# Altium PCB FMC_ADC_100M_10B_16CHA_TDC.PcbDoc (part 9 of 12) (continued)
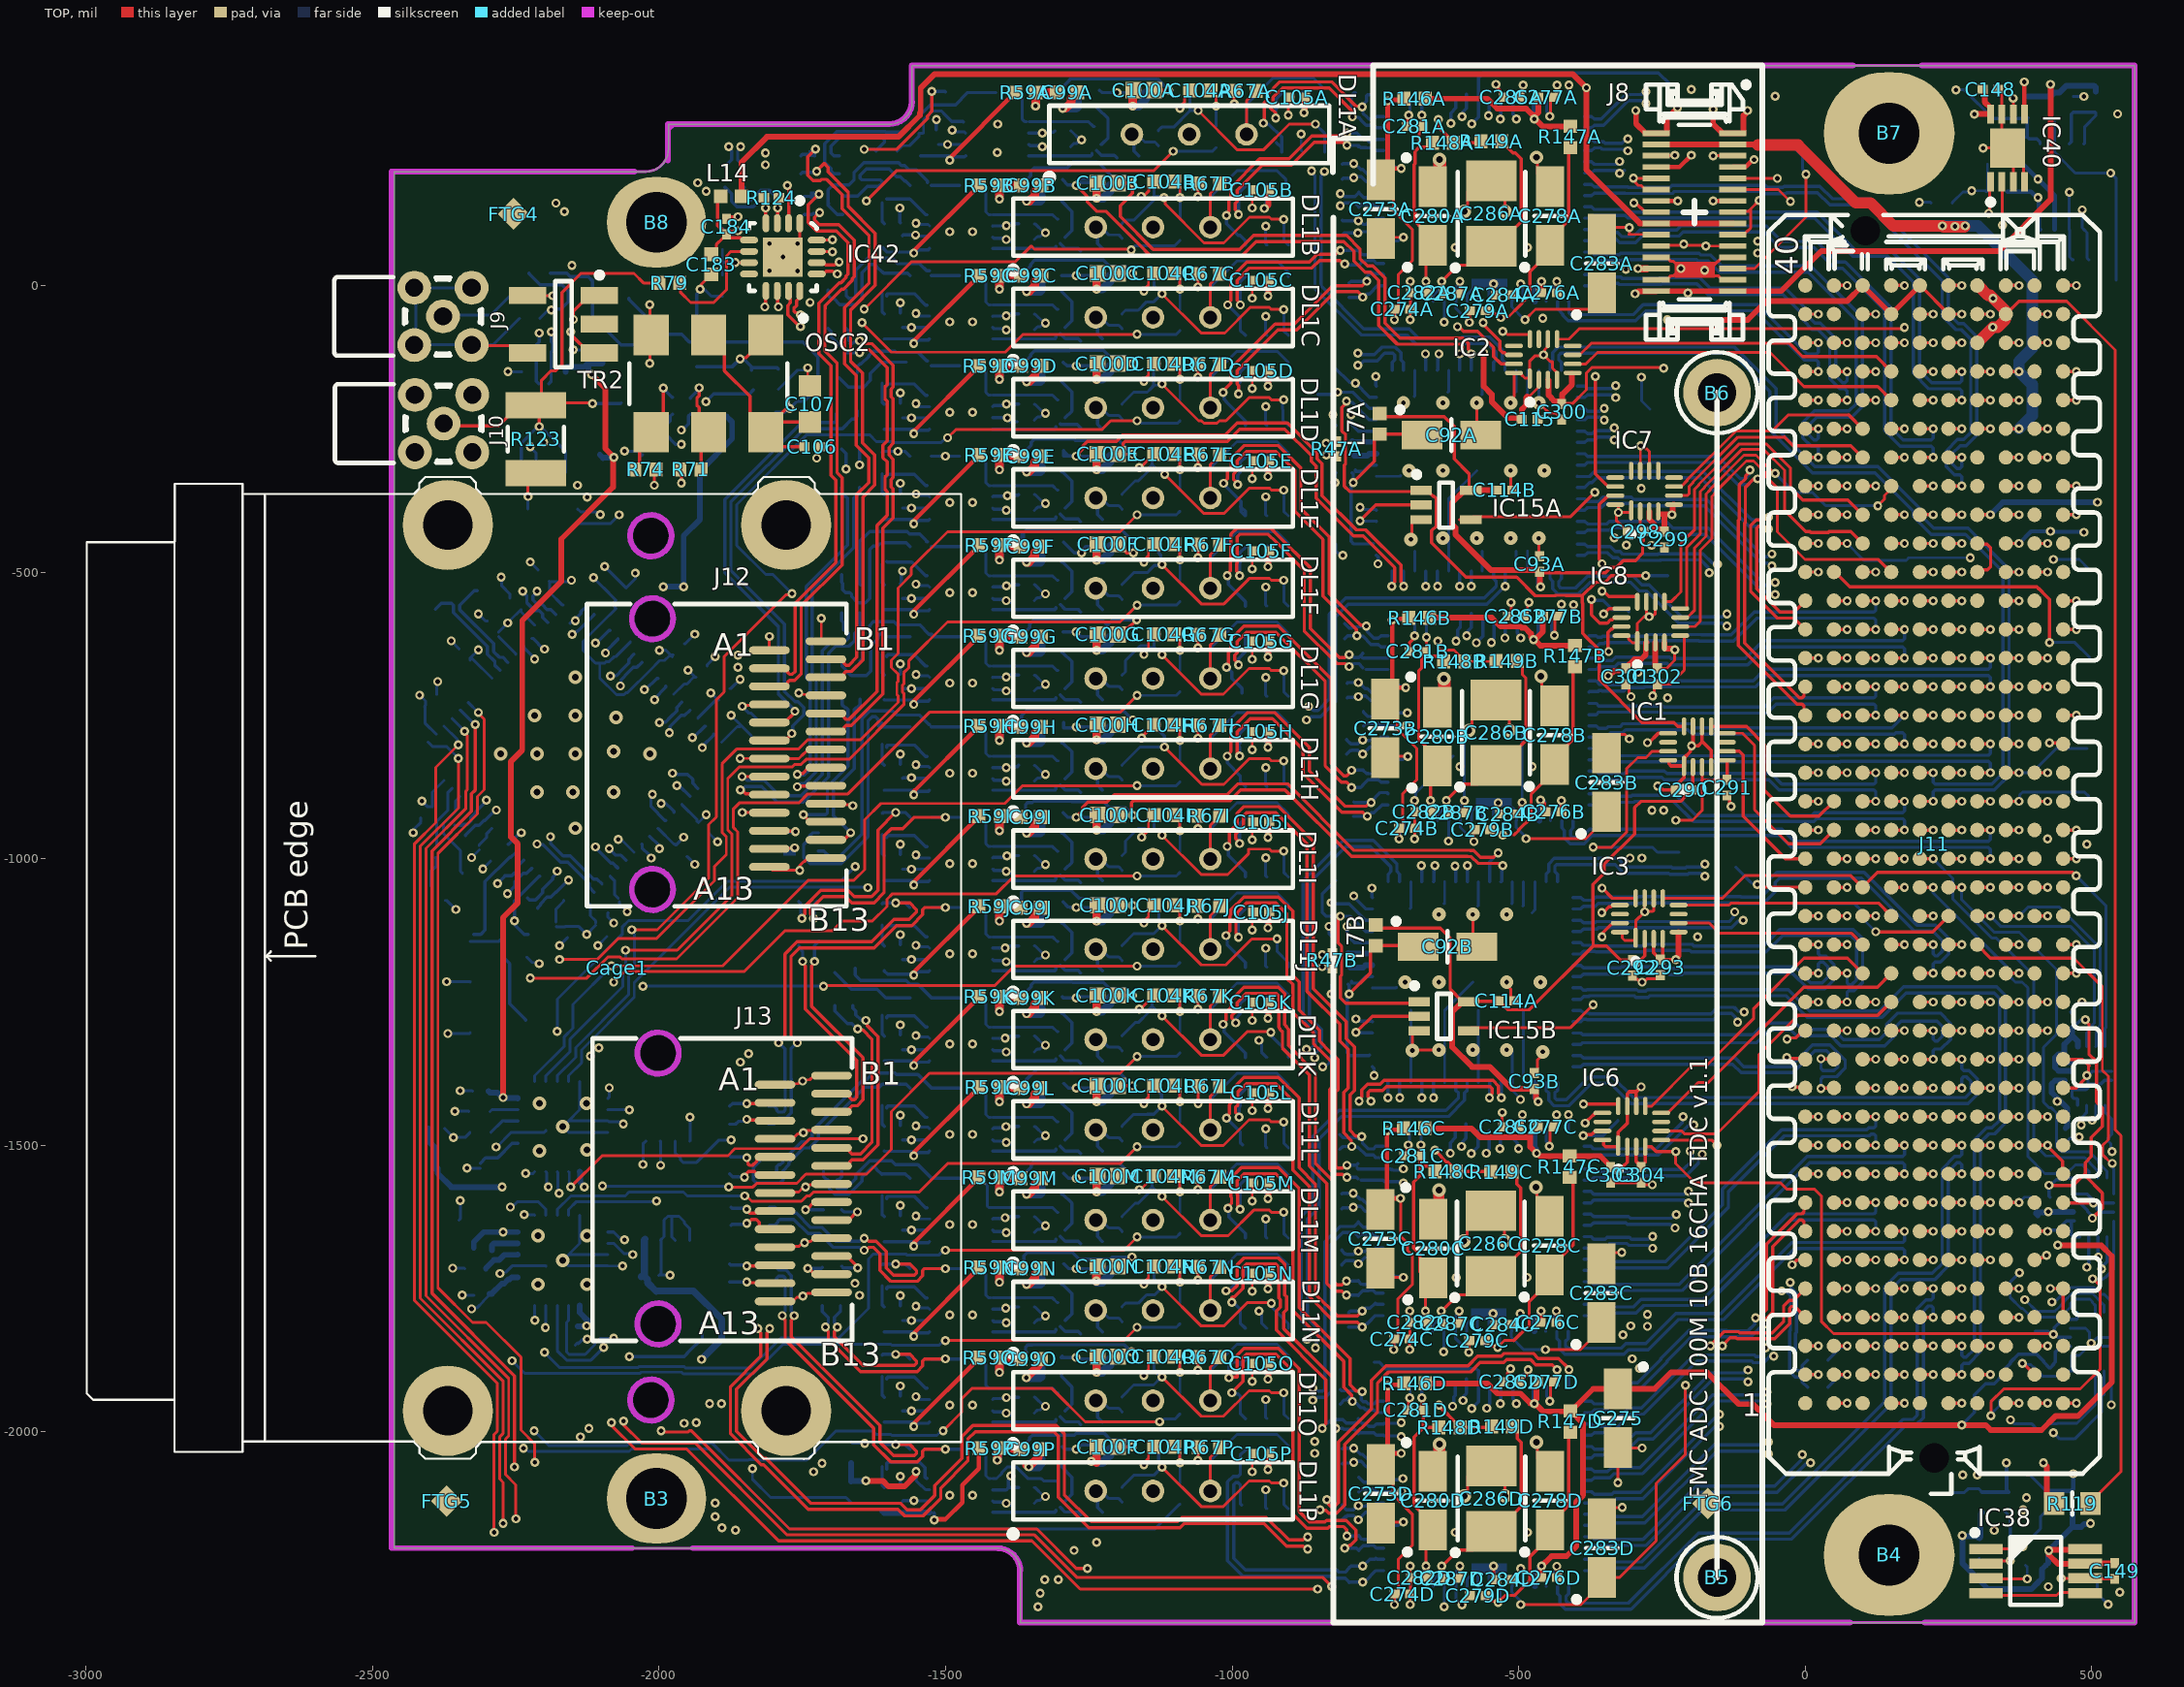
[diagram p0: TOP view]
## Nets (pads, with @x,y where several pads share a name; then routed paths per layer and width w, separated by ;. In a path a pad name is that pad's centre, name@x,y a point inside that pad or via, vN(x,y) a via of type N, cw(c..) or ccw(c..) an arc to the next point about the centre after c; other vN are vias at no path point) (continued)
LA00_CC_P: IC50C.18 J11.g6 | length 755.1
  TOP w5.71: J11.g6@150,-1700 v1(173,-1700)
  BOTTOM w5.71: IC50C.18@-433.47,-1824.74 -433.47,-1837.21 -428.98,-1841.7 -428.98,-1854.98 -419.36,-1864.6 -316.25,-1864.6 -308.41,-1856.76 -274.04,-1856.76 -221.39,-1804.11 -142.77,-1804.11 -19.02,-1680.36 169.65,-1680.36 173,-1683.7 v1(173,-1700)
LA02_N: IC50C.15 J11.h8 | length 619
  TOP w5.71: J11.h8@100,-1600 v1(123,-1600)
  BOTTOM w5.71: IC50C.15@-386.22,-1777.49 -373.75,-1777.49 -369.26,-1781.98 -299.65,-1781.98 -286.44,-1768.77 -178.31,-1768.77 -29.18,-1619.64 119.65,-1619.64 123,-1616.3 v1(123,-1600)
LA02_P: IC50C.16 J11.h7 | length 619
  TOP w5.71: J11.h7@100,-1650 v1(123,-1650)
  BOTTOM w5.71: IC50C.16@-386.22,-1797.18 -373.75,-1797.18 -369.26,-1792.69 -295.22,-1792.69 -282.01,-1779.48 -173.87,-1779.48 -24.75,-1630.36 119.65,-1630.36 123,-1633.7 v1(123,-1650)
LA04_N: IC50C.11 J11.h11 | length 664.7
  TOP w5.71: J11.h11@100,-1450 v1(123,-1450)
  BOTTOM w5.71: IC50C.11@-386.22,-1698.75 -373.75,-1698.75 -369.26,-1703.24 -243.97,-1703.24 -144.86,-1604.13 -144.86,-1576.56 -41.08,-1472.78 107.35,-1472.78 110.48,-1469.64 119.65,-1469.64 123,-1466.3 v1(123,-1450)
LA04_P: IC50C.12 J11.h10 | length 664.7
  TOP w5.71: J11.h10@100,-1500 v1(123,-1500)
  BOTTOM w5.71: IC50C.12@-386.22,-1718.44 -373.75,-1718.44 -369.26,-1713.95 -239.53,-1713.95 -134.14,-1608.56 -134.14,-1581 -36.64,-1483.49 111.78,-1483.49 114.92,-1480.36 119.65,-1480.36 123,-1483.7 v1(123,-1500)
LA05_N: IC50C.7 J11.d12 | length 864.2
  TOP w5.71: J11.d12@300,-1400 v1(323,-1400)
  L2 w4: -233.91,-1621.03 v1(-225,-1621.03) ; v1@-229.58,-1625.36 -225,-1625.36 -223.92,-1624.27 -220.57,-1624.27 -216.78,-1628.06 -138.82,-1628.06 13.11,-1476.13 267.91,-1476.13 288.67,-1455.36 288.67,-1445.44 313.62,-1420.5 320.66,-1420.5 323,-1418.16 v1(323,-1400)
  BOTTOM w5.71: IC50C.7@-386.22,-1620.01 -373.75,-1620.01 -369.26,-1624.5 -308.44,-1624.5 -305.74,-1627.2 -233.36,-1627.2 -227.19,-1621.03 v1(-225,-1621.03)
LA05_P: IC50C.8 J11.d11 | length 852.2
  TOP w5.71: J11.d11@300,-1450 v1(323,-1450)
  L2 w4: v1@-227.25,-1645.42 -227.25,-1645.27 -219.03,-1637.06 -135.09,-1637.06 16.84,-1485.13 271.64,-1485.13 297.67,-1459.09 297.67,-1449.17 317.34,-1429.5 320.66,-1429.5 323,-1431.84 v1(323,-1450)
  BOTTOM w5.71: IC50C.8@-386.22,-1639.7 -373.75,-1639.7 -369.26,-1635.21 -312.88,-1635.21 -310.18,-1637.91 -235.61,-1637.91 -229.44,-1644.08 v1(-227.25,-1644.08)
LA07_N: IC50C.3 J11.h14 | length 670.7
  TOP w5.71: v1(-201,-1510) v1@-201,-1507.44 ; J11.h14@100,-1300 v1(123,-1300)
  L2 w4: v1(-201,-1510) -201,-1508.08 -194.7,-1501.78 -194.7,-1496.74 -103.38,-1405.42 -69.39,-1405.42 15.53,-1320.5 120.66,-1320.5 123,-1318.16 v1(123,-1300)
  BOTTOM w5.71: IC50C.3@-386.22,-1541.27 -373.75,-1541.27 -369.26,-1545.76 -298.02,-1545.76 -294.82,-1542.56 -212.89,-1542.56 -197.28,-1526.95 -197.28,-1516.43 -201,-1512.72 v1@-201,-1507.63
LA07_P: IC50C.4 J11.h13 | length 669.7
  TOP w5.71: J11.h13@100,-1350 v1(123,-1350)
  L2 w4: v1(-179.83,-1515.61) -179.83,-1513.27 -185.7,-1507.39 -185.7,-1500.47 -99.66,-1414.42 -65.66,-1414.42 19.26,-1329.5 120.66,-1329.5 123,-1331.84 v1(123,-1350)
  BOTTOM w5.71: IC50C.4@-386.22,-1560.96 -373.75,-1560.96 -369.26,-1556.47 -293.58,-1556.47 -290.38,-1553.27 -208.46,-1553.27 -186.57,-1531.38 -186.57,-1523.97 -179.83,-1517.23 v1(-179.83,-1515.61)
LA12_P: IC6.6 J11.g15 | length 537
  TOP w5: IC6.6@-251.6,-1475.01 -215.76,-1475.01 -210.73,-1480.05 -154.22,-1480.05 -81.23,-1407.06 -81.23,-1342.23 -12.65,-1273.65
  TOP w5.71: -12.65,-1273.65 126.35,-1273.65 J11.g15@150,-1250
LA13_N: IC5.6 J11.d18 | length 402.7
  TOP w5.71: J11.d18@300,-1100 v1(323,-1100)
  BOTTOM w5: v1(323,-1100) 341.5,-1118.5 463.25,-1118.5 486.37,-1141.63 504.37,-1159.63 504.37,-1286.37 504,-1286.74 504,-1287.12 501,-1290.12 501,-1294 491.13,-1303.87 IC5.6@491.13,-1327.82
LA13_P: IC4.9 J11.d17 | length 627.9
  TOP w5: 468.02,-1173.28 518.33,-1223.59 518.33,-1369.17 528.76,-1379.59 528.76,-1490.13 518.4,-1500.49 518.4,-1515.98 533.99,-1531.56 v1(535.58,-1531.56)
  TOP w5.71: J11.d17@300,-1150 323.28,-1173.28 468.02,-1173.28
  BOTTOM w5: v1(535.58,-1531.56) 537.64,-1533.62 537.64,-1540.74 538.1,-1541.21 IC4.9@538.1,-1584.94
LA14_N: IC9.9 J11.c19 | length 977.3
  TOP w5.71: J11.c19@350,-1050 v1(373,-1050)
  L3 w5: v1(373,-1050) 394.74,-1050 443.25,-1098.51 443.25,-1314.63 415.48,-1342.39 415.48,-1413.15 407.63,-1421 407.63,-1506.37 408.37,-1507.12 408.37,-1614.65 405.63,-1617.4 405.63,-1749.81 429.25,-1773.43 v1(430.23,-1773.43)
  BOTTOM w5: 437.93,-1770.64 460.18,-1748.39 504.56,-1748.39 505.42,-1749.25 505.93,-1749.25 516.53,-1759.85 521.91,-1759.85 533.37,-1771.32 IC9.9@533.37,-1819.2
LA14_P: IC5.7 J11.c18 | length 375.5
  TOP w5.71: J11.c18@350,-1100 v1(373,-1100)
  BOTTOM w5: v1(373,-1100) 388.37,-1084.63 443.51,-1084.63 504,-1145.12 514.37,-1155.49 514.37,-1290.51 514,-1290.88 514,-1291.26 511.29,-1293.97 511.29,-1300.82 507.42,-1304.68 507.42,-1327.27 IC5.7@506.87,-1327.82
LA15_N: IC9.8 J11.h20 | length 1232.4
  TOP w5.71: J11.h20@100,-1000 v1(123,-1000)
  L3 w5: v1(123,-1000) 157.63,-1034.63 285.88,-1034.63 316.63,-1065.37 374.26,-1065.37 398.37,-1089.49 398.37,-1396.37 357.63,-1437.12 357.63,-1665.27 392.36,-1700 392.36,-1757.22 383.23,-1766.34 v1(383.23,-1769.25)
  BOTTOM w5: v1(383.23,-1769.25) 403.98,-1790 434.42,-1790 437.38,-1787.05 438.36,-1787.05 451.33,-1774.08 451.33,-1772.49 465.44,-1758.39 500.93,-1758.39 511.19,-1768.65 511.19,-1769.03 521.56,-1779.4 IC9.8@521.56,-1791.64
LA15_P: IC3.9 IC5.8 J11.h19 | length 1079.3
  TOP w5: IC3.9@-248.68,-1069.13 -144.71,-1069.13 -105.19,-1029.62 79.62,-1029.62
  TOP w5.71: 79.62,-1029.62 J11.h19@100,-1050 126,-1024 466.6,-1024 v1(472.5,-1029.9)
  BOTTOM w5: v1(472.5,-1029.9) 524.37,-1081.77 524.37,-1294.65 522.62,-1296.4 IC5.8@522.62,-1327.82
LA16_N: IC9.7 J11.g19 | length 1163.6
  TOP w5.71: J11.g19@150,-1050 v1(173,-1050)
  L3 w5: v1(173,-1050) 198.37,-1075.37 370.12,-1075.37 388.37,-1093.63 388.37,-1356.37 376,-1368.75 370.38,-1368.75 347.63,-1391.5 347.63,-1679.12 373.91,-1705.4 v1(373.91,-1722.33)
  BOTTOM w5: v1(373.91,-1722.33) 357.63,-1738.61 357.63,-1765.39 376.86,-1784.63 379.37,-1784.63 394.74,-1800 438.56,-1800 441.52,-1797.05 447.66,-1797.05 450.08,-1794.63 450.27,-1794.63 462.88,-1782.02 462.88,-1775.09 469.58,-1768.39 496.79,-1768.39 501.19,-1772.79 501.19,-1774.42 505.81,-1779.05 IC9.7@505.81,-1791.64
LA17_CC_N: IC50B.17 J11.d21 | length 816.6
  TOP w5.71: J11.d21@300,-950 v1(323,-950)
  BOTTOM w5.71: IC50B.17@-404.99,-933.79 -404.99,-946.27 -409.48,-950.76 -409.48,-959.6 -406.13,-962.94 -390.44,-962.94 -376.38,-948.88 -40.44,-948.88 -19.68,-969.64 319.65,-969.64 323,-966.3 v1(323,-950)
LA17_CC_P: IC50B.18 J11.d20 | length 834.4
  TOP w5.71: J11.d20@300,-1000 v1(323,-1000)
  BOTTOM w5.71: IC50B.18@-424.68,-933.79 -424.68,-946.27 -420.19,-950.76 -420.19,-964.03 -410.57,-973.66 -386,-973.66 -371.94,-959.6 -44.88,-959.6 -24.12,-980.36 319.65,-980.36 323,-983.7 v1(323,-1000)
LA18_CC_N: J11.c23 TP36.1 | length 159.3
  TOP w5.71: J11.c23@350,-850 v1(373,-850)
  BOTTOM w5: v1(373,-850) 373.2,-849.8 395.95,-849.8 437.93,-807.81 TP36.1@491.79,-807.81
LA18_CC_P: J11.c22 TP35.1 | length 160.1
  TOP w5.71: J11.c22@350,-900 v1(373,-900)
  BOTTOM w5: v1(373,-900) 374.33,-898.67 374.33,-888.74 379.37,-883.7 487.17,-883.7 TP35.1@494.5,-891.03
LA20_N: IC50B.15 J11.g22 | length 610.4
  TOP w5.71: J11.g22@150,-900 v1(173,-900)
  BOTTOM w5.71: IC50B.15@-377.43,-886.55 -364.95,-886.55 -360.47,-891.03 -303.87,-891.03 -302.12,-889.29 -225.96,-889.29 -190.59,-924.66 10.95,-924.66 15.96,-919.64 169.65,-919.64 173,-916.3 v1(173,-900)
LA20_P: IC50B.16 J11.g21 | length 610.4
  TOP w5.71: J11.g21@150,-950 v1(173,-950)
  BOTTOM w5.71: IC50B.16@-377.43,-906.23 -364.95,-906.23 -360.47,-901.75 -299.43,-901.75 -297.68,-900 -230.4,-900 -195.03,-935.37 15.39,-935.37 20.4,-930.36 169.65,-930.36 173,-933.7 v1(173,-950)
LA21_N: IC50B.7 J11.h26 | length 550.2
  TOP w5.71: J11.h26@100,-700 v1(123,-700)
  BOTTOM w5.71: IC50B.7@-377.43,-729.07 -364.95,-729.07 -360.47,-733.55 -248.85,-733.55 -247.03,-735.37 -71.18,-735.37 -55.45,-719.64 119.65,-719.64 123,-716.3 v1(123,-700)
LA21_P: IC50B.8 J11.h25 | length 550.2
  TOP w5.71: J11.h25@100,-750 v1(123,-750)
  BOTTOM w5.71: IC50B.8@-377.43,-748.75 -364.95,-748.75 -360.47,-744.27 -253.28,-744.27 -251.47,-746.09 -66.74,-746.09 -51.01,-730.36 119.65,-730.36 123,-733.7 v1(123,-750)
LA23_N: IC50B.11 J11.d24 | length 746.7
  TOP w5.71: J11.d24@300,-800 v1(323,-800)
  BOTTOM w5.71: IC50B.11@-377.43,-807.81 -364.95,-807.81 -360.47,-812.29 -331.16,-812.29 -322.99,-820.47 56.36,-820.47 57.18,-819.64 319.65,-819.64 323,-816.3 v1(323,-800)
LA23_P: IC50B.12 J11.d23 | length 746.7
  TOP w5.71: J11.d23@300,-850 v1(323,-850)
  BOTTOM w5.71: IC50B.12@-377.43,-827.49 -364.95,-827.49 -360.47,-823.01 -335.6,-823.01 -327.43,-831.18 60.8,-831.18 61.62,-830.36 319.65,-830.36 323,-833.7 v1(323,-850)
LA25_N: IC50B.3 J11.g28 | length 609.7
  TOP w5.71: J11.g28@150,-600 v1(173,-600)
  BOTTOM w5.71: IC50B.3@-377.43,-650.33 -364.95,-650.33 -360.47,-654.81 -351.63,-654.81 -351.37,-654.56 -336.69,-654.56 -330.69,-648.56 -236.91,-648.56 -234.31,-651.16 -104.76,-651.16 -73.24,-619.64 169.65,-619.64 173,-616.3 v1(173,-600)
LA25_P: IC50B.4 J11.g27 | length 609.7
  TOP w5.71: J11.g27@150,-650 v1(173,-650)
  BOTTOM w5.71: IC50B.4@-377.43,-670.01 -364.95,-670.01 -360.47,-665.53 -347.19,-665.53 -346.93,-665.27 -332.25,-665.27 -326.25,-659.27 -241.35,-659.27 -238.74,-661.88 -100.33,-661.88 -68.81,-630.36 169.65,-630.36 173,-633.7 v1(173,-650)
LA27_N: IC55.3 J11.c27 R158.1 | length 1034
  TOP w5.71: J11.c27@350,-650 v1(373,-650)
  L3 w5: v1(373,-650) 389.57,-633.43 389.57,168.81 v1(406.14,185.38)
  BOTTOM w8.2: R158.1@354.93,211.46 355.55,210.84 380.69,210.84 435.08,156.45 IC55.3@435.08,97.51
LA27_P: IC55.4 J11.c26 R159.1 | length 1004.3
  TOP w5.71: J11.c26@350,-700 v1(373,-700)
  L3 w8.2: v1(373,-700) 406.03,-666.97 406.03,153.13 v1(406.14,153.25)
  BOTTOM w8.2: R159.1@353.25,163.53 393.82,163.53 404.1,153.25 v1(406.14,153.25) 407.59,151.81 407.59,99.41 IC55.4@409.49,97.51
LA29_N: J8.11 J11.g31 R138.2 | length 984.5
  TOP w5: J8.11@-126.38,167.27 -46.9,167.27 v1(-26,146.37)
  TOP w5.71: J11.g31@150,-450 v1(173,-450)
  L3 w5: v1(-26,146.37) -25.32,145.68 198.32,145.68 v1(199,145) 199,-424 v1(173,-450)
  BOTTOM w5: v1(199,145) 218.72,145 R138.2@219.75,143.97
LA29_P: IC8.6 J11.g30 | length 732.7
  TOP w5: IC8.6@-218.21,-595.07 -192.53,-595.07 -183.09,-585.63 -183.09,-461.74 -163,-441.65 -163,-367.82 -155.75,-360.57 -155.75,-359.3 -102.74,-306.3 -90.01,-306.3 -67.72,-328.59 -67.72,-334.25 -48.63,-353.34 -48.63,-429.8 -0.42,-478.01
  TOP w5.71: -0.42,-478.01 128.01,-478.01 J11.g30@150,-500
LA30_N: IC7.7 J11.h35 | length 391.7
  TOP w5: IC7.7@-228.99,-350.87 -216.76,-350.87 -205.75,-339.86 -205.75,-338.59 -120.77,-253.62 -57.48,-253.62 -29.47,-225.61 75.61,-225.61
  TOP w5.71: 75.61,-225.61 J11.h35@100,-250
LA30_P: IC7.6 J11.h34 | length 394.6
  TOP w5: IC7.6@-228.99,-366.62 -205.93,-366.62 -203,-363.69 -203,-351.25 -195.75,-344 -195.75,-342.74 -117.48,-264.47 -36.64,-264.47
  TOP w5.71: -36.64,-264.47 -21.21,-279.9 -8.83,-279.9 -8.47,-279.55 8.47,-279.55 8.83,-279.9 41.17,-279.9 41.53,-279.55 79.55,-279.55 J11.h34@100,-300
LA31_N: IC2.9 J11.g34 | length 876.9
  TOP w5: IC2.9@-433.38,-93.57 -412.54,-93.57 -394.24,-75.27 v1@171.21,-75.27
  TOP w5.71: J11.g34@150,-300 v1(173,-300) ; v1@171.21,-75.27 v1(173,-73.48)
  L3 w5: v1(173,-300) 188.37,-284.63 188.37,-88.86 v1(173,-73.48)
LA31_P: IC8.7 J11.g33 | length 650.1
  TOP w5: IC8.7@-218.21,-579.32 -205.98,-579.32 -193.09,-566.43 -193.09,-457.6 -173,-437.51 -173,-363.68 -165.75,-356.43 -165.75,-355.16 -106.89,-296.3 -85.86,-296.3 -54.29,-327.88 v1(-52.35,-327.88) ; v1(126.49,-384.27) 138.07,-372.69 138.07,-366.49 150,-354.56 J11.g33@150,-350
  BOTTOM w5: v1(-52.35,-327.88) -19.23,-361 12.26,-361 35.53,-384.27 v1(126.49,-384.27)
LCLKINA_N: IC34.35 IC50A.64 | length 2694.4
  L3 w4: v1(-2212.99,-533.52) -2212.99,-533.14 -2220.84,-525.3 -2220.84,-507.34 -2254.53,-473.65 -2254.53,-175 -2229.84,-150.31 -2229.84,72.63 -2175.17,127.3 -2166.86,127.3 v1(-2165.2,128.96)
  L2 w4: v1@-2167.7,134.77 -2146.85,155.62 -2060,155.62 -2037.85,177.77 -1983.83,177.77 -1904.65,256.95 -1569.55,256.95 -1471.12,355.37 -741.08,355.37 -710.17,324.46 -425.82,324.46 -418.21,332.08 -418.21,341.34 -412.33,347.21 v1(-412.33,349.55)
  BOTTOM w5.71: v1(-2212.99,-533.52) -2212.99,-534.9 -2219.98,-541.88 -2219.98,-548.86 -2212.69,-556.15 -2204.42,-556.15 -2195.39,-565.19 -2189.04,-565.19 IC34.35@-2180.22,-574.01 ; IC50A.64@-412.86,322.11 -412.6,322.38 -412.6,349.29 v1(-412.33,349.55)
LCLKINA_P: IC34.34 IC50A.63 | length 2703.2
  L3 w4: v1(-2237.68,-533.52) -2237.68,-533.14 -2229.84,-525.3 -2229.84,-511.07 -2263.53,-477.38 -2263.53,-171.27 -2238.84,-146.58 -2238.84,76.36 -2181.53,133.66 -2181.53,141.97 v1(-2179.88,143.63)
  L2 w4: v1@-2174.06,141.13 -2150.58,164.62 -2063.73,164.62 -2041.58,186.77 -1987.56,186.77 -1908.38,265.95 -1573.28,265.95 -1474.85,364.37 -737.35,364.37 -706.44,333.46 -429.55,333.46 -427.21,335.81 -427.21,341.34 -433.08,347.21 v1(-433.08,349.55)
  BOTTOM w5.71: v1(-2237.68,-533.52) -2237.68,-534.9 -2230.69,-541.88 -2230.69,-553.3 -2217.13,-566.86 -2208.86,-566.86 -2202.96,-572.76 -2202.96,-579.1 IC34.34@-2194.14,-587.93 ; v1(-433.08,349.55) -432.82,349.29 -432.82,322.38 IC50A.63@-432.55,322.11
LCLKINB_N: IC34.47 IC50B.64 | length 1809.7
  L2 w4: v1(-2008.04,-722.73) -2007.77,-722.46 -2007.77,-711.37 -1971.59,-675.18 -1971.59,-672.65 -1931.13,-632.19 -1870.65,-632.19 -1835.84,-597.38 -1734.07,-597.38 -1726.82,-604.64 -1553.9,-604.64 -1547.19,-597.93 -1380.18,-597.93 -1349.86,-628.26 -1249.59,-628.26 -1242.89,-621.56 -1230.57,-621.56 -1223.88,-628.26 -1193.61,-628.26 -1187.42,-634.45 -1165.66,-634.45 -1160.1,-628.88 -1104.55,-628.88 -1083.12,-607.45 -827.28,-607.45 -798.72,-578.88 -758.78,-578.88 -746.85,-590.8 -746.85,-591.29 -730.75,-607.39 -698.84,-607.39 -677.1,-585.65 -424.46,-585.65 -410.33,-571.53 -410.33,-564.18 -404.5,-558.34 v1(-404.5,-556.79)
  BOTTOM w5.71: v1(-2008.04,-722.73) -2008.04,-720.84 -1988.13,-700.93 IC34.47@-1988.13,-699.28 ; IC50B.64@-404.99,-583.4 -404.75,-583.16 -404.75,-557.04 v1(-404.5,-556.79)
LCLKINB_P: IC34.46 IC50B.63 | length 1801.1
  L2 w4: v1(-2025.49,-705.27) -2025.23,-705.01 -2014.14,-705.01 -1980.59,-671.45 -1980.59,-668.92 -1934.86,-623.19 -1874.37,-623.19 -1839.56,-588.38 -1730.34,-588.38 -1723.09,-595.64 -1557.62,-595.64 -1550.92,-588.93 -1376.45,-588.93 -1346.13,-619.26 -1253.32,-619.26 -1246.62,-612.56 -1226.84,-612.56 -1220.15,-619.26 -1189.88,-619.26 -1186.48,-622.66 -1166.61,-622.66 -1163.82,-619.88 -1108.28,-619.88 -1086.85,-598.45 -831.01,-598.45 -802.44,-569.88 -755.05,-569.88 -737.85,-587.07 -737.85,-587.56 -727.03,-598.39 -702.57,-598.39 -680.83,-576.65 -428.18,-576.65 -419.33,-567.8 -419.33,-564.18 -425.25,-558.26 v1(-425.25,-556.23)
  BOTTOM w5.71: v1(-2025.49,-705.27) -2023.61,-705.27 -2003.7,-685.36 IC34.46@-2002.05,-685.36 ; v1(-425.25,-556.23) -424.96,-556.51 -424.96,-583.11 IC50B.63@-424.68,-583.4
LCLKINC_N: IC34.65 IC50C.64 | length 2387.1
  L3 w4: v1(-2105.22,-1329.84) -2106.88,-1328.18 -2115.18,-1328.18 -2141.25,-1302.11 -2141.25,-1100.65 -2025.36,-984.76 -2022.05,-984.76 -2018.58,-988.23 -2018.58,-997.42 -2017.01,-999 v1(-2014,-999)
  L2 w4: v1(-2105.22,-1329.84) -2103.56,-1331.49 -2103.56,-1339.8 -2040.02,-1403.35 -1836.96,-1403.35 -1825.22,-1415.08 -1485.34,-1415.08 -1429.4,-1471.03 -1429.4,-1480.55 -1392.5,-1517.45 -958.68,-1517.45 -915.37,-1474.14 -903.8,-1474.14 -895.09,-1465.43 -895.09,-1453.85 -795.37,-1354.13 -494.42,-1354.13 -419.12,-1429.43 -419.12,-1438.69 -413.25,-1444.56 v1(-413.25,-1446.9)
  BOTTOM w5.71: IC34.65@-2029.89,-974.89 -2029.48,-975.3 -2029.48,-981.7 v1@-2017.37,-993.81 ; IC50C.64@-413.78,-1474.34 -413.52,-1474.08 -413.52,-1447.17 v1(-413.25,-1446.9)
LCLKINC_P: IC34.64 IC50C.63 | length 2413.5
  L3 w4: v1(-2119.89,-1344.51) -2121.55,-1342.85 -2121.55,-1334.54 -2150.25,-1305.84 -2150.25,-1096.92 -2029.09,-975.76 -2018.32,-975.76 -2009.96,-984.13 -2007.84,-984.13 -2007.79,-984.17 -2002.49,-984.17 -2000.66,-982.34 v1(-1999.48,-982.34)
  L2 w4: v1(-2119.89,-1344.51) -2118.23,-1346.16 -2109.93,-1346.16 -2043.74,-1412.35 -1840.69,-1412.35 -1828.95,-1424.08 -1489.07,-1424.08 -1438.4,-1474.76 -1438.4,-1484.28 -1396.23,-1526.45 -954.95,-1526.45 -911.65,-1483.14 -900.08,-1483.14 -886.09,-1469.15 -886.09,-1457.58 -791.64,-1363.13 -498.15,-1363.13 -428.12,-1433.16 -428.12,-1438.69 -434,-1444.56 v1(-434,-1446.9)
  BOTTOM w5.71: IC34.64@-2015.97,-960.97 -2000.39,-976.55 -1999.48,-977.45 v1(-1999.48,-982.34) ; v1(-434,-1446.9) -433.73,-1447.17 -433.73,-1474.08 IC50C.63@-433.47,-1474.34
LCLKIND_N: IC34.68 IC50D.64 | length 3375
  TOP w5.71: v1(-835.04,-2118.23) -835.04,-2120.95 -831.48,-2124.51 -831.48,-2126.49 -826.75,-2131.22 -822.02,-2131.22 -814.24,-2123.43 -814.24,-2017.56 -757.08,-1960.41 -757.08,-1910.29 -731.43,-1884.63 -588.29,-1884.63 -571.81,-1868.15 -530.22,-1868.15 -525.25,-1863.18 -474.77,-1863.18 -465.86,-1872.08 -430.54,-1872.08 -412.34,-1890.29 v1(-412.34,-1891.78)
  L3 w4: v1(-2137.11,-2008.82) -2138.77,-2007.16 -2138.77,-1998.85 -2169.64,-1967.98 -2169.64,-1806.44 -2188.93,-1787.15 -2188.93,-1738.24 -2195.6,-1731.57 -2195.6,-1679.79 -2192.24,-1676.43 -2192.24,-1633.65 -2256.55,-1569.34 -2256.55,-1517.32 -2254.53,-1515.3 -2254.53,-1174.61 -2237.49,-1157.58 -2237.49,-1047.88 -2187.44,-997.84 -2109.77,-997.84 -2103.49,-991.56 -2103.49,-987.64 -2110.98,-980.15 v1(-2110.98,-979.42)
  L2 w4: v1(-2137.11,-2008.82) -2135.46,-2010.48 -2127.15,-2010.48 -2116.24,-2021.38 -2062.04,-2021.38 -2061.47,-2021.96 -2041.69,-2021.96 -2041.11,-2021.38 -2006.92,-2021.38 -2006.35,-2021.96 -1986.57,-2021.96 -1985.99,-2021.38 -1961.72,-2021.38 -1792.41,-2190.69 -1278.68,-2190.69 -1265.93,-2177.93 -1219.12,-2177.93 -1206.37,-2190.69 -903.71,-2190.69 -881.74,-2168.72 -844.27,-2168.72 -823.98,-2148.43 -823.98,-2137.66 -833.41,-2128.22 -833.41,-2119.86 v1(-835.04,-2118.23)
  BOTTOM w5.71: v1(-2110.98,-979.42) -2110.98,-980.61 -2083.77,-1007.82 -2080.47,-1007.82 IC34.68@-2071.65,-1016.65 ; IC50D.64@-412.87,-1919.23 -412.6,-1918.96 -412.6,-1892.05 v1(-412.34,-1891.78)
LCLKIND_P: IC34.67 IC50D.63 | length 3293.4
  TOP w5.71: v1(-846.85,-2135.88) -845.74,-2136.99 -836.13,-2136.99 -831.19,-2141.93 -817.58,-2141.93 -803.53,-2127.87 -803.53,-2022 -746.37,-1964.85 -746.37,-1914.73 -726.99,-1895.35 -583.86,-1895.35 -567.37,-1878.86 -525.79,-1878.86 -520.82,-1873.89 -479.2,-1873.89 -470.3,-1882.8 -441.45,-1882.8 -433.08,-1891.16 v1(-433.08,-1891.78)
  L3 w4: v1(-2122.44,-1994.15) -2124.1,-1992.49 -2132.41,-1992.49 -2160.64,-1964.26 -2160.64,-1802.71 -2179.93,-1783.42 -2179.93,-1734.52 -2186.6,-1727.84 -2186.6,-1683.52 -2183.24,-1680.15 -2183.24,-1629.92 -2247.55,-1565.61 -2247.55,-1521.05 -2245.53,-1519.03 -2245.53,-1178.34 -2228.49,-1161.3 -2228.49,-1051.61 -2183.72,-1006.84 -2106.05,-1006.84 -2094.49,-995.28 -2094.49,-990.55 -2087.01,-983.07 v1(-2087.01,-982.34)
  L2 w4: v1(-2122.44,-1994.15) -2120.79,-1995.8 -2120.79,-2004.11 -2112.51,-2012.38 -2058.31,-2012.38 -2057.74,-2012.96 -2045.42,-2012.96 -2044.84,-2012.38 -2003.19,-2012.38 -2002.62,-2012.96 -1990.3,-2012.96 -1989.72,-2012.38 -1957.99,-2012.38 -1788.68,-2181.69 -1282.41,-2181.69 -1269.66,-2168.93 -1215.39,-2168.93 -1202.64,-2181.69 -907.44,-2181.69 -885.47,-2159.72 -847.99,-2159.72 -832.98,-2144.7 -832.98,-2141.39 -836.86,-2137.51 -845.22,-2137.51 v1(-846.85,-2135.88)
  BOTTOM w5.71: v1(-2087.01,-982.34) -2086.89,-982.34 -2075.32,-993.9 -2066.55,-993.9 IC34.67@-2057.73,-1002.73 ; v1(-433.08,-1891.78) -432.82,-1892.05 -432.82,-1918.96 IC50D.63@-432.55,-1919.23
LDO_VCO: C118.2 C136.2 IC34.15 | length 164.9
  BOTTOM w5: C118.2@-2388.31,-976.55 -2388.31,-935.46 -2368.83,-915.98 -2368.83,-885.11 IC34.15@-2361.17,-877.45
  BOTTOM w5.71: C136.2@-2398.15,-1047.85 -2398.15,-1022.43 -2388.31,-1012.59 -2388.31,-999.93 C118.2@-2390.16,-998.08
LF1: C116.2 IC34.7 R80.2 | length 242.4
  BOTTOM w5.71: C116.2@-2329.26,-1144.3 -2279.55,-1144.3 R80.2@-2272.05,-1136.8 ; C116.2@-2323.23,-1131.94 -2310.99,-1131.94 -2303.57,-1124.52 -2303.57,-1040.24 -2260.96,-997.63 -2258.64,-997.63 IC34.7@-2249.82,-988.81
LF2_CAP: C118.1 IC34.14 | length 159.7
  BOTTOM w5: IC34.14@-2347.25,-891.37 -2354.91,-899.03 -2354.91,-917.11 -2375.79,-937.99 -2375.79,-956.71 -2346.55,-985.95 -2346.55,-1022.01 C118.1@-2342.91,-1025.64
N3V0A: C102A.1 C102B.1 C102C.1 C102D.1 C102E.1 C102F.1 C102G.1 C102H.1 C102I.1 C102J.1 C102K.1 C102L.1 C102M.1 C102N.1 C102O.1 C102P.1 IC20A.6 IC20B.6 IC20C.6 IC20D.6 IC20E.6 IC20F.6 IC20G.6 IC20H.6 IC20I.6 IC20J.6 IC20K.6 IC20L.6 IC20M.6 IC20N.6 IC20O.6 IC20P.6 J8.7 J8.8 | length 810.3
  TOP w7.87: J8.8@-260.24,206.64 -219.58,206.64 v1(-199,227.22) ; J8.7@-126.38,206.64 -125.4,207.62 -103.4,207.62 -91.39,219.63 v1(-89.26,219.63)
  BOTTOM w5.71: C102P.1@-1575.32,-2121.39 -1575.32,-2121.21 -1574.24,-2120.13 v1(-1555.51,-2120.13) -1555.23,-2120.41 -1532.29,-2120.41 IC20P.6@-1532.01,-2120.68 ; C102O.1@-1575.32,-1963.2 IC20O.6@-1532.01,-1963.2 ; C102N.1@-1575.32,-1805.72 IC20N.6@-1532.01,-1805.72 ; C102M.1@-1575.32,-1648.24 IC20M.6@-1532.01,-1648.24 ; C102L.1@-1575.32,-1490.76 IC20L.6@-1532.01,-1490.76 ; C102K.1@-1575.32,-1333.28 IC20K.6@-1532.01,-1333.28 ; C102J.1@-1575.32,-1175.8 IC20J.6@-1532.01,-1175.8 ; C102I.1@-1575.32,-1018.32 v1(-1559.57,-1018.32) IC20I.6@-1532.01,-1018.32 ; C102H.1@-1575.32,-860.16 -1575.32,-859.74 -1574.24,-858.66 v1(-1559.57,-858.66) -1558.48,-859.75 -1533.1,-859.75 IC20H.6@-1532.01,-860.84 ; C102G.1@-1575.32,-703.36 IC20G.6@-1532.01,-703.36 ; C102F.1@-1575.32,-545.88 IC20F.6@-1532.01,-545.88 ; C102E.1@-1575.32,-388.4 IC20E.6@-1532.01,-388.4 ; C102D.1@-1575.32,-230.92 IC20D.6@-1532.01,-230.92 ; C102C.1@-1575.32,-73.44 IC20C.6@-1532.01,-73.44 ; C102B.1@-1575.32,86.47 -1575.32,86.9 -1574.24,87.98 v1(-1552.37,87.98) -1550.45,86.06 -1534.03,86.06 IC20B.6@-1532.01,84.04 ; C102A.1@-1512.21,246.01 IC20A.6@-1468.9,246.01
  other v1: -1559.57,-1963.2 -1559.57,-1805.72 -1559.57,-1648.24 -1559.57,-1490.76 -1559.57,-1333.28 -1559.57,-1175.8 -1559.57,-703.36 -1559.57,-545.88 -1559.57,-388.4 -1559.57,-230.92 -1559.57,-73.44 -1496.46,246.01
NetC1_1: C1.1 C106.2 C107.2 L8.2 OSC2.2 OSC2.6 | length 931.5
  TOP w5.71: OSC2.2@-1909.84,-96.51 -1908.86,-96.51 -1886.13,-119.24 -1886.13,-148.97 -1841.44,-193.66 -1841.44,-223.38 -1826.58,-238.24 -1813.78,-238.24 OSC2.6@-1813.78,-255.96 -1788.19,-281.55 -1752.36,-281.55 C106.2@-1748.43,-277.61 ; OSC2.6@-1811.42,-238.24 C107.2@-1736.62,-238.24 ; OSC2.6@-1795.67,-230.37 -1793.11,-230.37 -1779.28,-216.54 -1773.97,-216.54 v1(-1772.05,-214.62)
  BOTTOM w5.71: L8.2@-1813.39,-238.24 -1796.56,-221.41 -1781.56,-221.41 -1774.76,-214.62 v1(-1772.05,-214.62)
  BOTTOM w6: C1.1@-2052.72,-22.95 -2052.72,-23.94 -1991.41,-85.25 -1960.47,-85.25 -1947.27,-98.45 -1748.76,-98.45 -1722.78,-124.43 -1722.78,-178 -1746.67,-201.88 -1759.31,-201.88 v1(-1772.05,-214.62)
NetC1_2: C1.2 D1.3 R1.2 | length 252.8
  BOTTOM w6: R1.2@-2189.69,21.25 -2160.77,21.25 -2154.81,15.29 -2123.61,15.29 -2115.72,7.4 C1.2@-2115.72,-22.95 -2115.72,-54.28 -2066,-104 D1.3@-2024.89,-104
NetC92A_1: C92A.1 C94A.2 C95A.2 C96A.2 IC14A.50 IC14A.57 IC14A.60 L7A.2 | length 561.5
  TOP w5.71: v1(-788.78,-343.72) -751.87,-306.81 -751.87,-268.26 -742.91,-259.3 C92A.1@-668.94,-259.3
  L3 w5.71: v1(-792.72,-225.61) -792.72,-337.06 -788.78,-341 v1(-788.78,-343.72)
  BOTTOM w5.71: v1@-792.7,-350.35 -792.7,-446.09 -787.88,-450.92 -754.25,-450.92 IC14A.50@-753.35,-450.01 ; v1(-792.72,-225.61) -792.72,-241.35 -790.75,-243.32 -790.59,-243.32 -779.77,-254.15 IC14A.60@-748.43,-254.15 ; C94A.2@-790.75,-326.82 -788.78,-328.8 v1(-788.78,-343.72) ; C94A.2@-784.84,-321.9 -784.84,-324.54 -784.75,-324.64 -771.67,-324.64 -760.24,-313.2 IC14A.57@-748.43,-313.2
NetC92B_1: C92B.1 C94B.2 C95B.2 C96B.2 IC14B.50 IC14B.57 IC14B.60 L7B.2 | length 569.7
  TOP w5.71: v1(-795.67,-1236.28) -758.76,-1199.37 -758.76,-1160.82 -749.8,-1151.86 C92B.1@-675.83,-1151.86
  L3 w5.71: v1(-799.61,-1118.17) -799.61,-1120.88 -795.67,-1124.82 v1(-795.67,-1236.28)
  BOTTOM w5.71: v1(-799.61,-1118.17) -799.61,-1133.91 -797.64,-1135.88 -797.48,-1135.88 -786.66,-1146.71 IC14B.60@-755.32,-1146.71 ; C94B.2@-797.64,-1219.38 -795.67,-1221.35 v1(-795.67,-1236.28) -795.67,-1238.99 -799.59,-1242.91 -799.59,-1338.65 -794.77,-1343.48 -761.14,-1343.48 IC14B.50@-760.24,-1342.57 ; C94B.2@-791.73,-1214.46 -791.73,-1217.1 -791.64,-1217.2 -778.56,-1217.2 -767.13,-1205.76 IC14B.57@-755.32,-1205.76
NetC97A_2: C97A.2 IC14A.58 | length 40.9
  BOTTOM w10: C97A.2@-786.97,-296.47 -786.97,-297.22 -786.89,-297.3 -764.51,-297.3 -760.73,-293.52 IC14A.58@-748.43,-293.52
NetC97B_2: C97B.2 IC14B.58 | length 40.9
  BOTTOM w10: C97B.2@-793.86,-1189.03 -793.86,-1189.78 -793.78,-1189.86 -771.4,-1189.86 -767.62,-1186.08 IC14B.58@-755.32,-1186.08
NetC98A_2: C98A.2 IC14A.59 | length 33.9
  BOTTOM w10: C98A.2@-790.75,-271.71 -789.61,-272.85 IC14A.59@-757.29,-272.85
NetC98B_2: C98B.2 IC14B.59 | length 33.9
  BOTTOM w10: C98B.2@-797.64,-1164.27 -796.5,-1165.41 IC14B.59@-764.17,-1165.41
NetC99A_1: C99A.1 R59A.2 R60A.1 | length 81.5
  TOP w15: v1(-1342.92,312.94) R59A.2@-1342.92,336.56 ; R59A.2@-1338.98,336.56 C99A.1@-1305.51,336.56
  BOTTOM w15: v1(-1342.92,312.94) -1342.77,313.08 -1342.77,334.74 R60A.1@-1340.95,336.56
NetC99A_2: C99A.2 R48A.1 R57A.2 | length 92.9
  TOP w15: v1(-1295.67,309) -1295.53,309.15 -1290.84,309.15 -1280.81,319.18 -1280.81,325.83 C99A.2@-1270.08,336.56
  BOTTOM w15: v1(-1295.67,309) -1272.05,309 -1270.08,310.97 R48A.1@-1270.08,336.56
NetC99B_1: C99B.1 R59B.2 R60B.1 | length 81.5
  TOP w15: v1(-1406.03,150.97) R59B.2@-1406.03,174.59 ; R59B.2@-1402.09,174.59 C99B.1@-1368.63,174.59
  BOTTOM w15: v1(-1406.03,150.97) -1405.88,151.11 -1405.88,172.77 R60B.1@-1404.06,174.59
NetC99B_2: C99B.2 R48B.1 R57B.2 | length 92.9
  TOP w15: v1(-1358.78,147.03) -1358.64,147.18 -1353.95,147.18 -1343.92,157.21 -1343.92,163.87 C99B.2@-1333.19,174.59
  BOTTOM w15: v1(-1358.78,147.03) -1335.16,147.03 -1333.19,149 R48B.1@-1333.19,174.59
NetC99C_1: C99C.1 R59C.2 R60C.1 | length 81.5
  TOP w15: v1(-1406.03,-6.51) R59C.2@-1406.03,17.11 ; R59C.2@-1402.09,17.11 C99C.1@-1368.63,17.11
  BOTTOM w15: v1(-1406.03,-6.51) -1405.88,-6.37 -1405.88,15.29 R60C.1@-1404.06,17.11
NetC99C_2: C99C.2 R48C.1 R57C.2 | length 92.9
  TOP w15: v1(-1358.78,-10.45) -1358.64,-10.3 -1353.95,-10.3 -1343.92,-0.27 -1343.92,6.38 C99C.2@-1333.19,17.11
  BOTTOM w15: v1(-1358.78,-10.45) -1335.16,-10.45 -1333.19,-8.48 R48C.1@-1333.19,17.11
NetC99D_1: C99D.1 R59D.2 R60D.1 | length 81.5
  TOP w15: v1(-1406.03,-163.99) R59D.2@-1406.03,-140.37 ; R59D.2@-1402.09,-140.37 C99D.1@-1368.63,-140.37
  BOTTOM w15: v1(-1406.03,-163.99) -1405.88,-163.85 -1405.88,-142.19 R60D.1@-1404.06,-140.37
NetC99D_2: C99D.2 R48D.1 R57D.2 | length 92.9
  TOP w15: v1(-1358.78,-167.93) -1358.64,-167.78 -1353.95,-167.78 -1343.92,-157.75 -1343.92,-151.1 C99D.2@-1333.19,-140.37
  BOTTOM w15: v1(-1358.78,-167.93) -1335.16,-167.93 -1333.19,-165.96 R48D.1@-1333.19,-140.37
NetC99E_1: C99E.1 R59E.2 R60E.1 | length 88.3
  TOP w15: v1(-1406.03,-321.47) R59E.2@-1406.03,-297.85 ; R59E.2@-1406.03,-293.91 -1403.07,-296.86 -1370.2,-296.86 C99E.1@-1369.22,-297.85
  BOTTOM w15: v1(-1406.03,-321.47) -1405.88,-321.33 -1405.88,-297.31 R60E.1@-1404.45,-295.88
NetC99E_2: C99E.2 R48E.1 R57E.2 | length 92.9
  TOP w15: v1(-1358.78,-325.41) -1358.64,-325.26 -1354.55,-325.26 -1344.51,-315.23 -1344.51,-308.58 C99E.2@-1333.78,-297.85 C99E.2@-1333.19,-297.85
  BOTTOM w15: v1(-1358.78,-325.41) -1335.16,-325.41 -1333.19,-323.44 R48E.1@-1333.19,-297.85
NetC99F_1: C99F.1 R59F.2 R60F.1 | length 88.3
  TOP w15: v1(-1406.03,-478.95) R59F.2@-1406.03,-455.33 ; R59F.2@-1406.03,-451.39 -1403.07,-454.34 -1370.2,-454.34 C99F.1@-1369.22,-455.33
  BOTTOM w15: v1(-1406.03,-478.95) -1405.88,-478.81 -1405.88,-454.79 R60F.1@-1404.45,-453.36